# Altium PCB WX0.000.863拼板.PcbDoc (part 13 of 15)
Units mm, origin at the board's own origin, x right, y up, seen from the top; angles counter-clockwise.
Board outline 150.37 x 286.89 mm, 2 copper layers (Top Layer, Bottom Layer); 840 components, 0 nets, 2516 pads, 1604 vias.
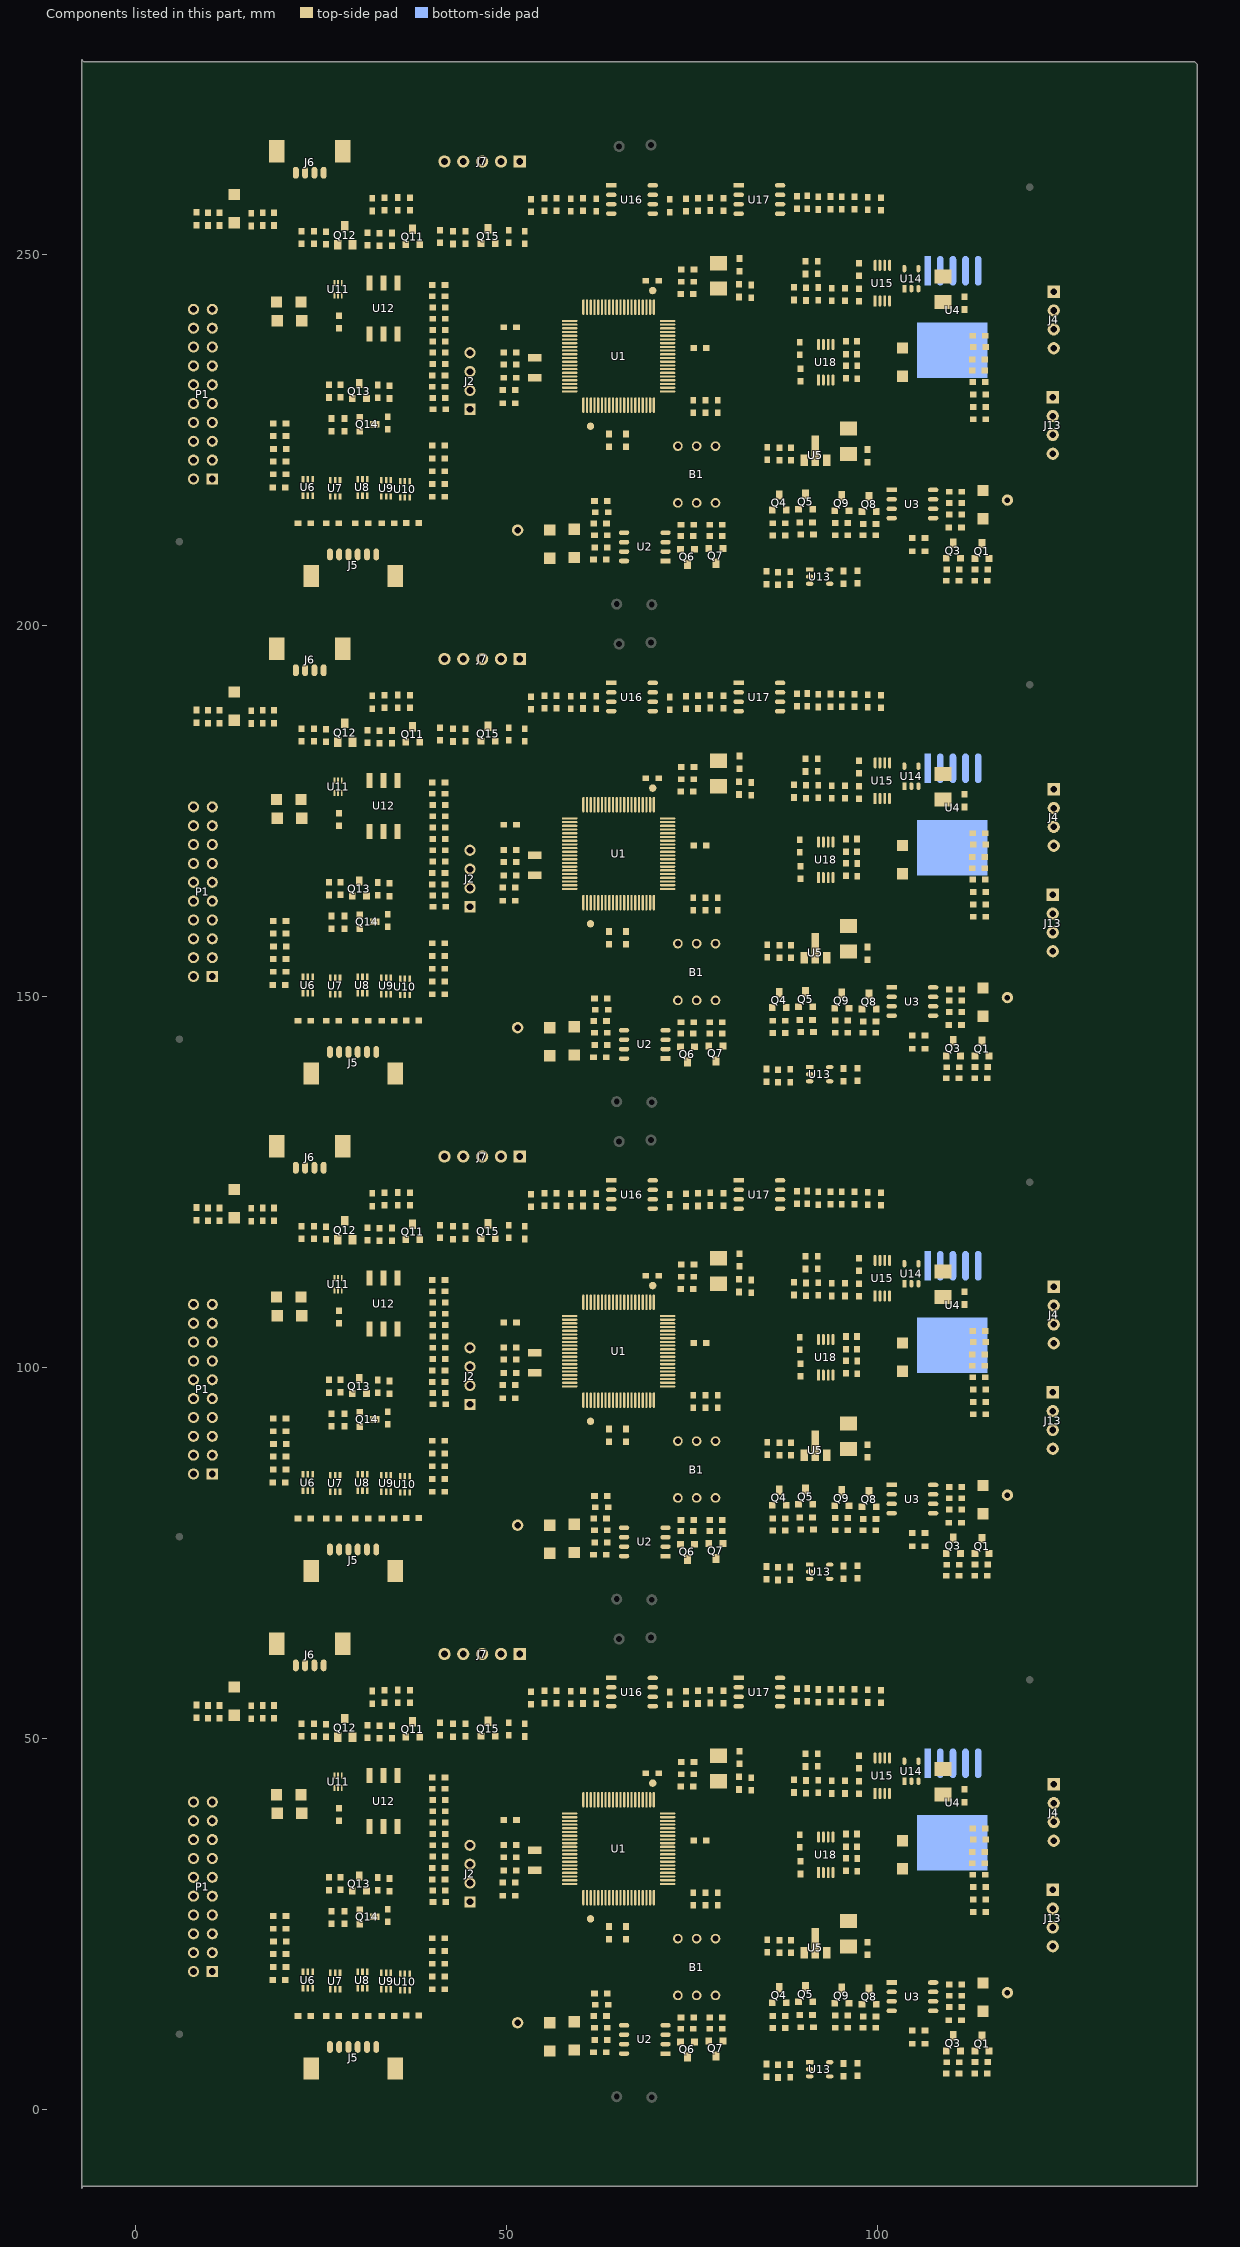
[diagram p13: the components of this part, seen from the top]

## Via types
v1: diameter 0.635, hole 0.381, Top Layer to Bottom Layer, tented both sides, 1604 vias

## Nets (pads, with @x,y where several pads share a name; then routed paths per layer and width w, separated by ;. In a path a pad name is that pad's centre, name@x,y a point inside that pad or via, vN(x,y) a via of type N, cw(c..) or ccw(c..) an arc to the next point about the centre after c; other vN are vias at no path point) (continued)
copper on no net: (continued)
  Bottom Layer w0.203: 6.406,29.393 ccw(c4.551,31.249) 7.175,31.249 ; 6.406,96.449 ccw(c4.551,98.305) 7.175,98.305 ; 6.406,163.505 ccw(c4.551,165.361) 7.175,165.361 ; 6.406,230.561 ccw(c4.551,232.417) 7.175,232.417 ; 6.753,29.74 ccw(c5.245,31.249) 7.378,31.249 ; 6.753,96.796 ccw(c5.245,98.305) 7.378,98.305 ; 6.753,163.852 ccw(c5.245,165.361) 7.378,165.361 ; 6.753,230.908 ccw(c5.245,232.417) 7.378,232.417 ; 7.1,30.087 ccw(c5.939,31.249) 7.581,31.249 ; 7.1,97.143 ccw(c5.939,98.305) 7.581,98.305 ; 7.1,164.199 ccw(c5.939,165.361) 7.581,165.361 ; 7.1,231.255 ccw(c5.939,232.417) 7.581,232.417 ; 7.447,30.434 ccw(c6.632,31.249) 7.784,31.249 ; 7.447,97.49 ccw(c6.632,98.305) 7.784,98.305 ; 7.447,164.546 ccw(c6.632,165.361) 7.784,165.361 ; 7.447,231.602 ccw(c6.632,232.417) 7.784,232.417 ; 7.465,30.452 cw(c7.823,30.093) 7.823,30.6 ; 7.465,97.508 cw(c7.823,97.149) 7.823,97.656 ; 7.465,164.564 cw(c7.823,164.205) 7.823,164.712 ; 7.465,231.62 cw(c7.823,231.261) 7.823,231.768 ; 7.812,23.793 cw(c7.882,22.761) 8.613,23.492 ; 7.812,90.849 cw(c7.882,89.817) 8.613,90.548 ; 7.812,157.905 cw(c7.882,156.873) 8.613,157.604 ; 7.812,224.961 cw(c7.882,223.929) 8.613,224.66 ; 7.823,23.629 8.477,23.629 9.55,22.555 10.846,22.555 ; 7.823,25.723 cw(c7.823,23.99) 9.049,25.216 ; 7.823,25.927 cw(c7.823,24.684) 8.702,25.563 ; 7.823,26.169 8.096,26.169 9.271,24.994 15.926,24.994 v1(16.205,24.714) ; 7.823,31.249 7.823,30.81 5.69,28.677 5.69,20.828 6.68,19.837 13.691,19.837 14.707,20.853 v1(17.348,20.853) 17.335,20.866 18.118,21.648 18.118,22.077 18.901,22.86 21.75,22.86 22.401,22.21 23.599,22.21 25.316,23.927 v1(26.441,23.927) ; 7.823,90.685 8.477,90.685 9.55,89.611 10.846,89.611 ; 7.823,92.779 cw(c7.823,91.046) 9.049,92.272 ; 7.823,92.983 cw(c7.823,91.74) 8.702,92.619 ; 7.823,93.225 8.096,93.225 9.271,92.05 15.926,92.05 v1(16.205,91.77) ; 7.823,98.305 7.823,97.866 5.69,95.733 5.69,87.884 6.68,86.893 13.691,86.893 14.707,87.909 v1(17.348,87.909) 17.335,87.922 18.118,88.704 18.118,89.133 18.901,89.916 21.75,89.916 22.401,89.266 23.599,89.266 25.316,90.983 v1(26.441,90.983) ; 7.823,157.741 8.477,157.741 9.55,156.667 10.846,156.667 ; 7.823,159.835 cw(c7.823,158.102) 9.049,159.328 ; 7.823,160.039 cw(c7.823,158.796) 8.702,159.675 ; 7.823,160.281 8.096,160.281 9.271,159.106 15.926,159.106 v1(16.205,158.826) ; 7.823,165.361 7.823,164.922 5.69,162.789 5.69,154.94 6.68,153.949 13.691,153.949 14.707,154.965 v1(17.348,154.965) 17.335,154.978 18.118,155.76 18.118,156.189 18.901,156.972 21.75,156.972 22.401,156.322 23.599,156.322 25.316,158.039 v1(26.441,158.039) ; 7.823,224.797 8.477,224.797 9.55,223.723 10.846,223.723 ; 7.823,226.891 cw(c7.823,225.158) 9.049,226.384 ; 7.823,227.095 cw(c7.823,225.852) 8.702,226.731 ; 7.823,227.337 8.096,227.337 9.271,226.162 15.926,226.162 v1(16.205,225.882) ; 7.823,232.417 7.823,231.978 5.69,229.845 5.69,221.996 6.68,221.005 13.691,221.005 14.707,222.021 v1(17.348,222.021) 17.335,222.034 18.118,222.816 18.118,223.245 18.901,224.028 21.75,224.028 22.401,223.378 23.599,223.378 25.316,225.095 v1(26.441,225.095) ; 7.826,23.59 cw(c7.923,22.17) 8.929,23.176 ; 7.826,90.646 cw(c7.923,89.226) 8.929,90.232 ; 7.826,157.702 cw(c7.923,156.282) 8.929,157.288 ; 7.826,224.758 cw(c7.923,223.338) 8.929,224.344 ; 7.84,23.387 cw(c7.963,21.578) 9.245,22.86 ; 7.84,90.443 cw(c7.963,88.634) 9.245,89.916 ; 7.84,157.499 cw(c7.963,155.69) 9.245,156.972 ; 7.84,224.555 cw(c7.963,222.746) 9.245,224.028 ; 7.854,23.184 cw(c8.004,20.987) 9.561,22.544 ; 7.854,90.24 cw(c8.004,88.043) 9.561,89.6 ; 7.854,157.296 cw(c8.004,155.099) 9.561,156.656 ; 7.854,224.352 cw(c8.004,222.155) 9.561,223.712 ; 8.472,26.169 ccw(c9.378,26.169) 8.737,25.527 ; 8.472,93.225 ccw(c9.378,93.225) 8.737,92.583 ; 8.472,160.281 ccw(c9.378,160.281) 8.737,159.639 ; 8.472,227.337 ccw(c9.378,227.337) 8.737,226.695 ; 11.176,22.555 10.846,22.555 ; 11.176,89.611 10.846,89.611 ; 11.176,156.667 10.846,156.667 ; 11.176,223.723 10.846,223.723 ; v1(11.684,21.692) 12.014,22.022 ; v1(11.684,88.748) 12.014,89.078 ; v1(11.684,155.804) 12.014,156.134 ; v1(11.684,222.86) 12.014,223.19 ; v1@11.701,21.907 ccw(c11.733,22.303) 12.014,22.022 ; v1@11.701,88.963 ccw(c11.733,89.359) 12.014,89.078 ; v1@11.701,156.019 ccw(c11.733,156.415) 12.014,156.134 ; v1@11.701,223.075 ccw(c11.733,223.471) 12.014,223.19 ; v1@11.899,21.709 cw(c12.295,21.741) 12.014,22.022 ; v1@11.899,88.765 cw(c12.295,88.797) 12.014,89.078 ; v1@11.899,155.821 cw(c12.295,155.853) 12.014,156.134 ; v1@11.899,222.877 cw(c12.295,222.909) 12.014,223.19 ; v1@13.36,54.483 cw(c12.992,54.114) 13.513,54.114 cw(c14.034,54.114) v1@13.665,54.483 ; v1@13.36,121.539 cw(c12.992,121.17) 13.513,121.17 cw(c14.034,121.17) v1@13.665,121.539 ; v1@13.36,188.595 cw(c12.992,188.226) 13.513,188.226 cw(c14.034,188.226) v1@13.665,188.595 ; v1@13.36,255.651 cw(c12.992,255.282) 13.513,255.282 cw(c14.034,255.282) v1@13.665,255.651 ; v1(13.513,54.635) 13.513,52.502 v1(15.291,50.724) ; v1(13.513,121.691) 13.513,119.558 v1(15.291,117.78) ; v1(13.513,188.747) 13.513,186.614 v1(15.291,184.836) ; v1(13.513,255.803) 13.513,253.67 v1(15.291,251.892) ; 15.009,24.994 cw(c15.009,23.518) v1@16.053,24.562 ; 15.009,92.05 cw(c15.009,90.574) v1@16.053,91.618 ; 15.009,159.106 cw(c15.009,157.63) v1@16.053,158.674 ; 15.009,226.162 cw(c15.009,224.686) v1@16.053,225.73 ; v1@15.075,50.724 ccw(c14.554,50.724) 14.922,51.092 ccw(c15.291,51.461) v1@15.291,50.94 ; v1@15.075,117.78 ccw(c14.554,117.78) 14.922,118.148 ccw(c15.291,118.517) v1@15.291,117.996 ; v1@15.075,184.836 ccw(c14.554,184.836) 14.922,185.204 ccw(c15.291,185.573) v1@15.291,185.052 ; v1@15.075,251.892 ccw(c14.554,251.892) 14.922,252.26 ccw(c15.291,252.629) v1@15.291,252.108 ; 15.5,24.994 cw(c15.5,24.009) v1@16.196,24.705 ; 15.5,92.05 cw(c15.5,91.065) v1@16.196,91.761 ; 15.5,159.106 cw(c15.5,158.121) v1@16.196,158.817 ; 15.5,226.162 cw(c15.5,225.177) v1@16.196,225.873 ; 15.991,24.994 cw(c15.991,24.5) v1@16.34,24.849 ; 15.991,92.05 cw(c15.991,91.556) v1@16.34,91.905 ; 15.991,159.106 cw(c15.991,158.612) v1@16.34,158.961 ; 15.991,226.162 cw(c15.991,225.668) v1@16.34,226.017 ; 16.817,23.827 ccw(c16.361,24.282) v1@17.005,24.282 ; 16.817,90.883 ccw(c16.361,91.338) v1@17.005,91.338 ; 16.817,157.939 ccw(c16.361,158.394) v1@17.005,158.394 ; 16.817,224.995 ccw(c16.361,225.45) v1@17.005,225.45 ; 16.939,23.95 cw(c17.221,23.668) v1@17.221,24.066 ; 16.939,91.006 cw(c17.221,90.724) v1@17.221,91.123 ; 16.939,158.062 cw(c17.221,157.78) v1@17.221,158.178 ; 16.939,225.118 cw(c17.221,224.836) v1@17.221,225.234 ; v1@17.196,20.701 ccw(c16.827,20.332) 16.827,20.853 ccw(c16.827,21.375) v1@17.196,21.006 ; v1@17.196,87.757 ccw(c16.827,87.388) 16.827,87.909 ccw(c16.827,88.431) v1@17.196,88.062 ; v1@17.196,154.813 ccw(c16.827,154.444) 16.827,154.965 ccw(c16.827,155.487) v1@17.196,155.118 ; v1@17.196,221.869 ccw(c16.827,221.5) 16.827,222.021 ccw(c16.827,222.543) v1@17.196,222.174 ; v1@17.348,21.069 ccw(c17.348,21.529) 17.673,21.204 ; v1@17.348,21.869 ccw(c16.979,21.501) 16.979,22.022 ccw(c16.979,22.543) v1@17.348,22.174 ; v1@17.348,88.125 ccw(c17.348,88.585) 17.673,88.26 ; v1@17.348,88.925 ccw(c16.979,88.557) 16.979,89.078 ccw(c16.979,89.599) v1@17.348,89.23 ; v1@17.348,155.181 ccw(c17.348,155.641) 17.673,155.316 ; v1@17.348,155.981 ccw(c16.979,155.613) 16.979,156.134 ccw(c16.979,156.655) v1@17.348,156.286 ; v1@17.348,222.237 ccw(c17.348,222.697) 17.673,222.372 ; v1@17.348,223.037 ccw(c16.979,222.669) 16.979,223.19 ccw(c16.979,223.711) v1@17.348,223.342 ; v1@17.374,24.13 cw(c17.742,23.761) 17.742,24.282 cw(c17.742,24.804) v1@17.374,24.435 ; v1@17.374,91.186 cw(c17.742,90.817) 17.742,91.338 cw(c17.742,91.86) v1@17.374,91.491 ; v1@17.374,158.242 cw(c17.742,157.873) 17.742,158.394 cw(c17.742,158.916) v1@17.374,158.547 ; v1@17.374,225.298 cw(c17.742,224.929) 17.742,225.45 cw(c17.742,225.972) v1@17.374,225.603 ; v1@17.475,23.279 ccw(c17.475,24.046) 18.017,23.504 ; v1@17.475,90.335 ccw(c17.475,91.102) 18.017,90.56 ; v1@17.475,157.391 ccw(c17.475,158.158) 18.017,157.616 ; v1@17.475,224.447 ccw(c17.475,225.214) 18.017,224.672 ; v1@17.564,20.853 cw(c18.147,20.853) 17.735,21.265 ; v1@17.564,87.909 cw(c18.147,87.909) 17.735,88.321 ; v1@17.564,154.965 cw(c18.147,154.965) 17.735,155.377 ; v1@17.564,222.021 cw(c18.147,222.021) 17.735,222.433 ; v1@17.577,23.063 18.339,23.825 21.92,23.825 22.733,23.012 23.266,23.012 23.825,23.571 ; v1@17.577,90.119 18.339,90.881 21.92,90.881 22.733,90.068 23.266,90.068 23.825,90.627 ; v1@17.577,157.175 18.339,157.937 21.92,157.937 22.733,157.124 23.266,157.124 23.825,157.683 ; v1@17.577,224.231 18.339,224.993 21.92,224.993 22.733,224.18 23.266,224.18 23.825,224.739 ; v1@17.691,23.063 cw(c17.967,23.063) 17.772,23.258 ; v1@17.691,90.119 cw(c17.967,90.119) 17.772,90.314 ; v1@17.691,157.175 cw(c17.967,157.175) 17.772,157.37 ; v1@17.691,224.231 cw(c17.967,224.231) 17.772,224.426 ; v1(19.583,48.184) 20.091,48.184 ; v1(19.583,115.24) 20.091,115.24 ; v1(19.583,182.296) 20.091,182.296 ; v1(19.583,249.352) 20.091,249.352 ; v1@19.739,48.034 cw(c20.091,47.694) 20.091,48.184 ; v1@19.739,48.334 ccw(c20.091,48.673) 20.091,48.184 ; v1@19.739,115.09 cw(c20.091,114.75) 20.091,115.24 ; v1@19.739,115.39 ccw(c20.091,115.729) 20.091,115.24 ; v1@19.739,182.146 cw(c20.091,181.806) 20.091,182.296 ; v1@19.739,182.446 ccw(c20.091,182.785) 20.091,182.296 ; v1@19.739,249.202 cw(c20.091,248.862) 20.091,249.352 ; v1@19.739,249.502 ccw(c20.091,249.841) 20.091,249.352 ; v1@20.168,46.672 cw(c20.168,46.151) 20.536,46.52 cw(c20.905,46.888) v1@20.383,46.888 ; v1(20.168,46.888) v1@21.692,45.364 ; v1@20.168,113.728 cw(c20.168,113.207) 20.536,113.576 cw(c20.905,113.944) v1@20.383,113.944 ; v1(20.168,113.944) v1@21.692,112.42 ; v1@20.168,180.784 cw(c20.168,180.263) 20.536,180.632 cw(c20.905,181) v1@20.383,181 ; v1(20.168,181) v1@21.692,179.476 ; v1@20.168,247.84 cw(c20.168,247.319) 20.536,247.688 cw(c20.905,248.056) v1@20.383,248.056 ; v1(20.168,248.056) v1@21.692,246.532 ; 21.108,45.948 cw(c20.219,45.06) v1@21.476,45.06 ; 21.108,113.004 cw(c20.219,112.116) v1@21.476,112.116 ; 21.108,180.06 cw(c20.219,179.172) v1@21.476,179.172 ; 21.108,247.116 cw(c20.219,246.228) v1@21.476,246.228 ; v1(21.209,48.082) 21.361,48.082 21.488,47.955 22.911,47.955 23.19,47.676 23.216,47.676 v1(23.216,46.355) 23.216,46.304 23.216,45.974 ; v1(21.209,115.138) 21.361,115.138 21.488,115.011 22.911,115.011 23.19,114.732 23.216,114.732 v1(23.216,113.411) 23.216,113.36 23.216,113.03 ; v1(21.209,182.194) 21.361,182.194 21.488,182.067 22.911,182.067 23.19,181.788 23.216,181.788 v1(23.216,180.467) 23.216,180.416 23.216,180.086 ; v1(21.209,249.25) 21.361,249.25 21.488,249.123 22.911,249.123 23.19,248.844 23.216,248.844 v1(23.216,247.523) 23.216,247.472 23.216,247.142 ; v1@21.218,48.091 ccw(c21.546,48.419) 21.546,47.955 ; v1@21.218,115.147 ccw(c21.546,115.475) 21.546,115.011 ; v1@21.218,182.203 ccw(c21.546,182.531) 21.546,182.067 ; v1@21.218,249.259 ccw(c21.546,249.587) 21.546,249.123 ; v1@21.362,48.235 ccw(c22.037,48.91) 22.037,47.955 ; v1@21.362,115.291 ccw(c22.037,115.966) 22.037,115.011 ; v1@21.362,182.347 ccw(c22.037,183.022) 22.037,182.067 ; v1@21.362,249.403 ccw(c22.037,250.078) 22.037,249.123 ; 21.454,45.602 cw(c20.912,45.06) v1@21.679,45.06 ; 21.454,112.658 cw(c20.912,112.116) v1@21.679,112.116 ; 21.454,179.714 cw(c20.912,179.172) v1@21.679,179.172 ; 21.454,246.77 cw(c20.912,246.228) v1@21.679,246.228 ; 21.531,46.093 21.302,46.321 21.302,46.973 20.091,48.184 ; 21.531,113.149 21.302,113.377 21.302,114.029 20.091,115.24 ; 21.531,180.205 21.302,180.433 21.302,181.085 20.091,182.296 ; 21.531,247.261 21.302,247.489 21.302,248.141 20.091,249.352 ; 21.531,46.093 22.793,44.831 23.165,44.831 ; 21.531,113.149 22.793,111.887 23.165,111.887 ; 21.531,180.205 22.793,178.943 23.165,178.943 ; 21.531,247.261 22.793,245.999 23.165,245.999 ; v1@22.771,23.698 ccw(c22.25,23.698) 22.618,24.067 ccw(c22.987,24.435) v1@22.987,23.914 ; v1@22.771,90.754 ccw(c22.25,90.754) 22.618,91.123 ccw(c22.987,91.491) v1@22.987,90.97 ; v1@22.771,157.81 ccw(c22.25,157.81) 22.618,158.179 ccw(c22.987,158.547) v1@22.987,158.026 ; v1@22.771,224.866 ccw(c22.25,224.866) 22.618,225.235 ccw(c22.987,225.603) v1@22.987,225.082 ; v1(22.987,23.698) 22.403,24.282 v1(17.221,24.282) 17.221,24.232 15.545,22.555 10.846,22.555 ; v1(22.987,90.754) 22.403,91.338 v1(17.221,91.338) 17.221,91.288 15.545,89.611 10.846,89.611 ; v1(22.987,157.81) 22.403,158.394 v1(17.221,158.394) 17.221,158.344 15.545,156.667 10.846,156.667 ; v1(22.987,224.866) 22.403,225.45 v1(17.221,225.45) 17.221,225.4 15.545,223.723 10.846,223.723 ; v1@23.025,46.355 ccw(c23.485,46.355) 23.16,46.03 ; v1@23.025,113.411 ccw(c23.485,113.411) 23.16,113.086 ; v1@23.025,180.467 ccw(c23.485,180.467) 23.16,180.142 ; v1@23.025,247.523 ccw(c23.485,247.523) 23.16,247.198 ; v1@23.063,46.508 ccw(c22.694,46.876) 23.216,46.876 ccw(c23.737,46.876) v1@23.368,46.508 ; v1@23.063,113.564 ccw(c22.694,113.932) 23.216,113.932 ccw(c23.737,113.932) v1@23.368,113.564 ; v1@23.063,180.62 ccw(c22.694,180.988) 23.216,180.988 ccw(c23.737,180.988) v1@23.368,180.62 ; v1@23.063,247.676 ccw(c22.694,248.044) 23.216,248.044 ccw(c23.737,248.044) v1@23.368,247.676 ; v1@23.228,46.355 ccw(c24.179,46.355) 23.507,45.683 ; v1@23.228,113.411 ccw(c24.179,113.411) 23.507,112.739 ; v1@23.228,180.467 ccw(c24.179,180.467) 23.507,179.795 ; v1@23.228,247.523 ccw(c24.179,247.523) 23.507,246.851 ; v1@23.305,44.481 ccw(c22.827,44.493) 23.165,44.831 ; v1@23.305,111.537 ccw(c22.827,111.549) 23.165,111.887 ; v1@23.305,178.593 ccw(c22.827,178.605) 23.165,178.943 ; v1@23.305,245.649 ccw(c22.827,245.661) 23.165,245.999 ; v1@23.431,46.355 ccw(c24.873,46.355) 23.854,45.336 ; v1@23.431,113.411 ccw(c24.873,113.411) 23.854,112.392 ; v1@23.431,180.467 ccw(c24.873,180.467) 23.854,179.448 ; v1@23.431,247.523 ccw(c24.873,247.523) 23.854,246.504 ; 23.444,23.19 ccw(c22.959,23.675) v1@23.618,23.867 ; 23.444,90.246 ccw(c22.959,90.731) v1@23.618,90.923 ; 23.444,157.302 ccw(c22.959,157.787) v1@23.618,157.979 ; 23.444,224.358 ccw(c22.959,224.843) v1@23.618,225.035 ; v1@23.515,44.691 cw(c23.503,45.169) 23.165,44.831 ; v1@23.515,111.747 cw(c23.503,112.225) 23.165,111.887 ; v1@23.515,178.803 cw(c23.503,179.281) 23.165,178.943 ; v1@23.515,245.859 cw(c23.503,246.337) 23.165,245.999 ; v1(23.52,44.475) 23.165,44.831 ; v1(23.52,111.531) 23.165,111.887 ; v1(23.52,178.587) 23.165,178.943 ; v1(23.52,245.643) 23.165,245.999 ; 23.687,23.433 ccw(c23.336,23.785) v1@23.813,23.923 ; 23.687,90.489 ccw(c23.336,90.841) v1@23.813,90.979 ; 23.687,157.545 ccw(c23.336,157.897) v1@23.813,158.035 ; 23.687,224.601 ccw(c23.336,224.953) v1@23.813,225.091 ; v1(23.774,9.677) 23.851,9.754 v1(34.29,9.754) ; v1(23.774,76.733) 23.851,76.81 v1(34.29,76.81) ; v1(23.774,143.789) 23.851,143.866 v1(34.29,143.866) ; v1(23.774,210.845) 23.851,210.922 v1(34.29,210.922) ; v1@23.927,9.525 cw(c24.48,8.972) 24.48,9.754 ; v1@23.927,9.83 ccw(c24.112,10.015) 24.112,9.754 ; v1@23.927,76.581 cw(c24.48,76.028) 24.48,76.81 ; v1@23.927,76.886 ccw(c24.112,77.071) 24.112,76.81 ; v1@23.927,143.637 cw(c24.48,143.084) 24.48,143.866 ; v1@23.927,143.942 ccw(c24.112,144.127) 24.112,143.866 ; v1@23.927,210.693 cw(c24.48,210.14) 24.48,210.922 ; v1@23.927,210.998 ccw(c24.112,211.183) 24.112,210.922 ; v1(24.658,24.244) 24.65,24.244 24.442,24.036 24.442,23.621 23.433,22.611 22.567,22.611 21.754,23.424 18.898,23.424 17.501,22.027 v1(17.501,22.022) 12.014,22.022 ; v1(24.658,91.3) 24.65,91.3 24.442,91.092 24.442,90.677 23.433,89.667 22.567,89.667 21.754,90.48 18.898,90.48 17.501,89.083 v1(17.501,89.078) 12.014,89.078 ; v1(24.658,158.356) 24.65,158.356 24.442,158.148 24.442,157.733 23.433,156.723 22.567,156.723 21.754,157.536 18.898,157.536 17.501,156.139 v1(17.501,156.134) 12.014,156.134 ; v1(24.658,225.412) 24.65,225.412 24.442,225.204 24.442,224.789 23.433,223.779 22.567,223.779 21.754,224.592 18.898,224.592 17.501,223.195 v1(17.501,223.19) 12.014,223.19 ; v1(25.603,40.742) 26.04,41.178 26.04,41.956 25.425,42.57 25.425,43.764 23.216,45.974 ; v1@25.603,40.957 ccw(c25.603,41.479) 25.972,41.11 ccw(c26.34,40.742) v1@25.819,40.742 ; v1(25.603,107.798) 26.04,108.234 26.04,109.012 25.425,109.626 25.425,110.82 23.216,113.03 ; v1@25.603,108.013 ccw(c25.603,108.535) 25.972,108.166 ccw(c26.34,107.798) v1@25.819,107.798 ; v1(25.603,174.854) 26.04,175.29 26.04,176.068 25.425,176.682 25.425,177.876 23.216,180.086 ; v1@25.603,175.07 ccw(c25.603,175.591) 25.972,175.222 ccw(c26.34,174.854) v1@25.819,174.854 ; v1(25.603,241.91) 26.04,242.346 26.04,243.124 25.425,243.738 25.425,244.932 23.216,247.142 ; v1@25.603,242.125 ccw(c25.603,242.647) 25.972,242.278 ccw(c26.34,241.91) v1@25.819,241.91 ; v1@26.289,23.774 ccw(c25.92,23.406) 25.92,23.927 ccw(c25.92,24.448) v1@26.289,24.079 ; v1@26.289,90.83 ccw(c25.92,90.462) 25.92,90.983 ccw(c25.92,91.504) v1@26.289,91.135 ; v1@26.289,157.886 ccw(c25.92,157.518) 25.92,158.039 ccw(c25.92,158.56) v1@26.289,158.191 ; v1@26.289,224.942 ccw(c25.92,224.574) 25.92,225.095 ccw(c25.92,225.616) v1@26.289,225.247 ; v1(28.448,36.805) 28.473,36.805 28.804,37.135 ; v1(28.448,103.861) 28.473,103.861 28.804,104.191 ; v1(28.448,170.917) 28.473,170.917 28.804,171.247 ; v1(28.448,237.973) 28.473,237.973 28.804,238.303 ; v1@28.472,37.019 ccw(c28.518,37.42) 28.804,37.135 ; v1@28.472,104.075 ccw(c28.518,104.476) 28.804,104.191 ; v1@28.472,171.131 ccw(c28.518,171.532) 28.804,171.247 ; v1@28.472,238.187 ccw(c28.518,238.588) 28.804,238.303 ; v1@28.549,43.459 cw(c27.935,42.845) 28.804,42.845 ; v1@28.549,110.515 cw(c27.935,109.901) 28.804,109.901 ; v1@28.549,177.571 cw(c27.935,176.957) 28.804,176.957 ; v1@28.549,244.627 cw(c27.935,244.013) 28.804,244.013 ; v1@28.664,36.805 cw(c29.124,36.805) 28.799,37.13 ; v1@28.664,103.861 cw(c29.124,103.861) 28.799,104.186 ; v1@28.664,170.917 cw(c29.124,170.917) 28.799,171.242 ; v1@28.664,237.973 cw(c29.124,237.973) 28.799,238.298 ; v1(28.702,43.612) 28.804,43.51 28.804,41.351 ; v1(28.702,110.668) 28.804,110.566 28.804,108.407 ; v1(28.702,177.724) 28.804,177.622 28.804,175.463 ; v1(28.702,244.78) 28.804,244.678 28.804,242.519 ; 28.804,43.028 28.804,41.351 ; 28.804,110.084 28.804,108.407 ; 28.804,177.14 28.804,175.463 ; 28.804,244.196 28.804,242.519 ; v1(29.721,33.327) 29.774,33.274 31.242,33.274 v1(31.801,33.833) ; v1(29.721,100.383) 29.774,100.33 31.242,100.33 v1(31.801,100.889) ; v1(29.721,167.439) 29.774,167.386 31.242,167.386 v1(31.801,167.945) ; v1(29.721,234.495) 29.774,234.442 31.242,234.442 v1(31.801,235.001) ; v1@29.874,33.175 cw(c30.114,32.935) 30.114,33.274 ; v1@29.874,33.48 ccw(c30.371,33.977) 30.371,33.274 ; v1@29.874,100.231 cw(c30.114,99.991) 30.114,100.33 ; v1@29.874,100.536 ccw(c30.371,101.033) 30.371,100.33 ; v1@29.874,167.287 cw(c30.114,167.047) 30.114,167.386 ; v1@29.874,167.592 ccw(c30.371,168.089) 30.371,167.386 ; v1@29.874,234.343 cw(c30.114,234.103) 30.114,234.442 ; v1@29.874,234.648 ccw(c30.371,235.145) 30.371,234.442 ; v1(30.378,32.639) 30.378,32.69 30.455,32.766 31.775,32.766 32.664,33.655 v1(32.664,33.884) ; v1(30.378,99.695) 30.378,99.746 30.455,99.822 31.775,99.822 32.664,100.711 v1(32.664,100.94) ; v1(30.378,166.751) 30.378,166.802 30.455,166.878 31.775,166.878 32.664,167.767 v1(32.664,167.996) ; v1(30.378,233.807) 30.378,233.858 30.455,233.934 31.775,233.934 32.664,234.823 v1(32.664,235.052) ; v1@30.387,32.63 cw(c30.716,32.302) 30.716,32.766 ; v1@30.387,99.686 cw(c30.716,99.358) 30.716,99.822 ; v1@30.387,166.742 cw(c30.716,166.414) 30.716,166.878 ; v1@30.387,233.798 cw(c30.716,233.47) 30.716,233.934 ; v1@30.531,32.486 cw(c31.206,31.811) 31.206,32.766 ; v1@30.531,99.542 cw(c31.206,98.867) 31.206,99.822 ; v1@30.531,166.598 cw(c31.206,165.923) 31.206,166.878 ; v1@30.531,233.654 cw(c31.206,232.979) 31.206,233.934 ; v1@30.835,34.366 ccw(c30.271,34.931) 31.069,34.931 ; v1@30.835,101.422 ccw(c30.271,101.987) 31.069,101.987 ; v1@30.835,168.478 ccw(c30.271,169.043) 31.069,169.043 ; v1@30.835,235.534 ccw(c30.271,236.099) 31.069,236.099 ; v1(30.988,34.214) 31.039,34.214 31.069,34.244 31.069,48.29 v1(31.471,48.692) ; v1(30.988,101.27) 31.039,101.27 31.069,101.3 31.069,115.346 v1(31.471,115.748) ; v1(30.988,168.326) 